# Altium PCB NeuroPico Hub.PcbDoc (part 1 of 5) (continued)
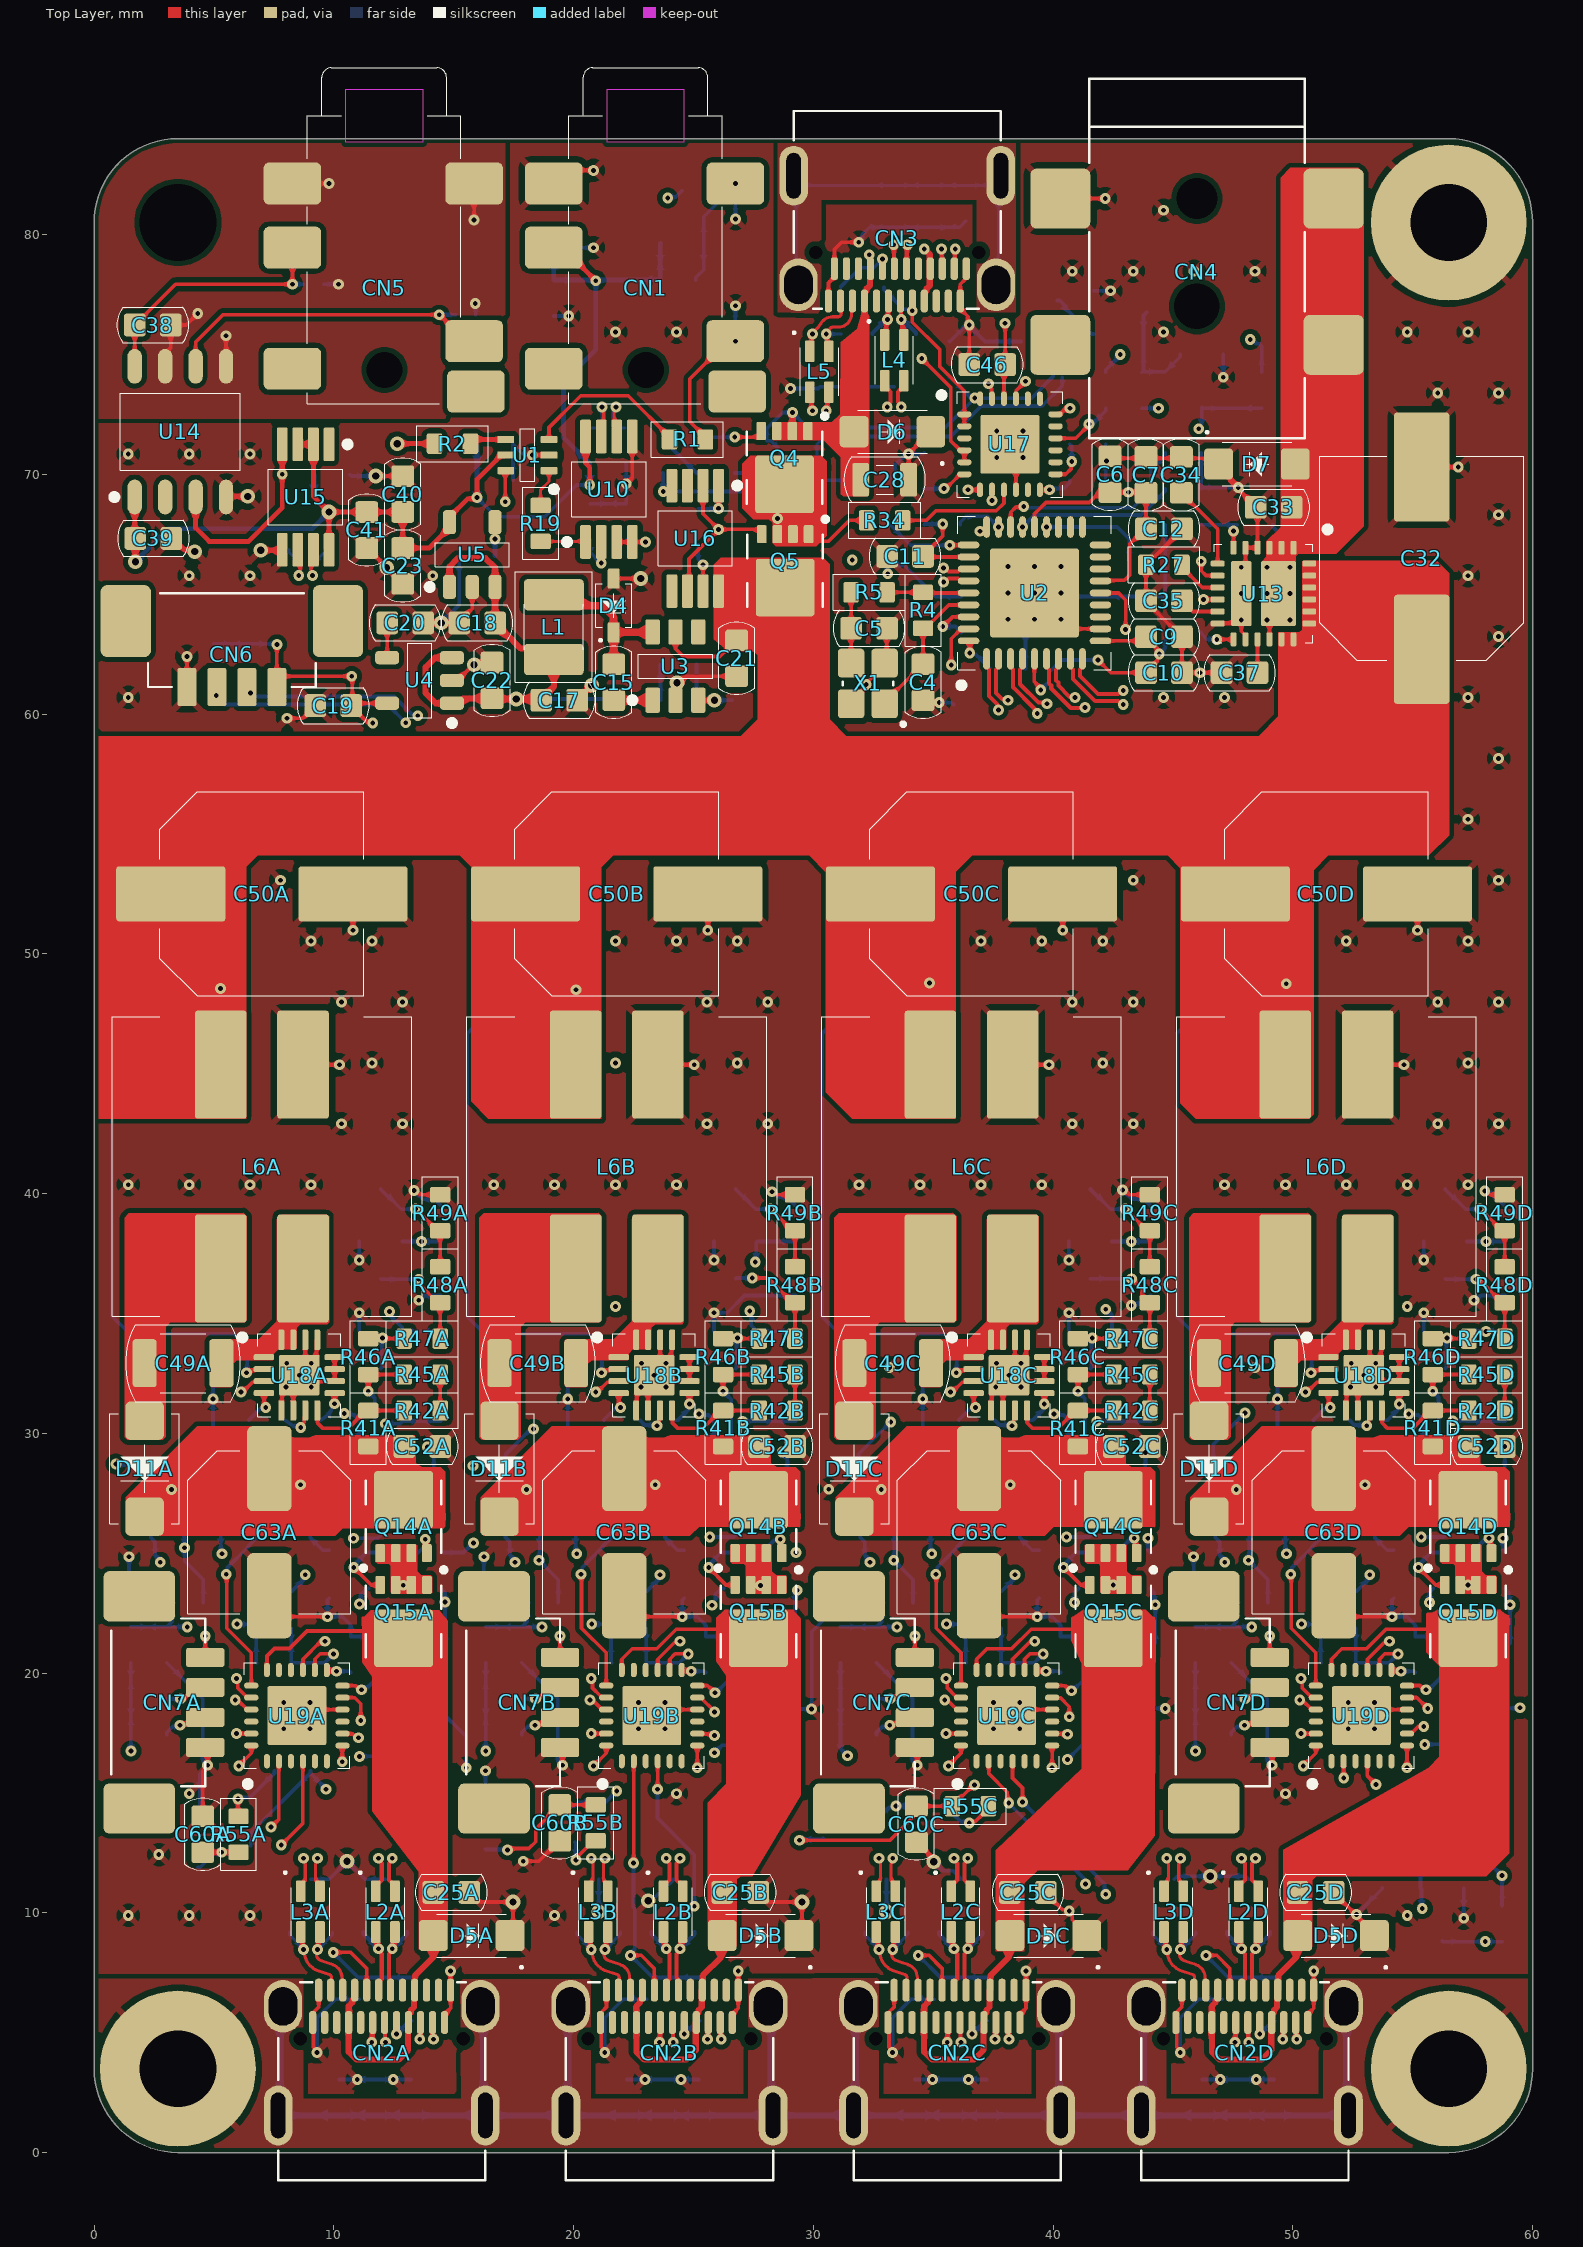
[diagram p0: Top Layer view]
## Components (designator, comment, footprint, x,y, rotation, side; value= is the part's Value field where it differs from the comment) (continued)
C49D "C1210-2.2uF-50V" CAP_CHIP_1210 48.11,32.925 r0 top value=2.2µF (schematic designator C49)
C50A "SC8-680uF-25V" ECAP_SMD_D8_10.2L 7,52.5 r0 top value=680uF (schematic designator C50)
C50B "SC8-680uF-25V" ECAP_SMD_D8_10.2L 21.8,52.5 r0 top value=680uF (schematic designator C50)
C50C "SC8-680uF-25V" ECAP_SMD_D8_10.2L 36.6,52.5 r0 top value=680uF (schematic designator C50)
C50D "SC8-680uF-25V" ECAP_SMD_D8_10.2L 51.4,52.5 r0 top value=680uF (schematic designator C50)
C51A "C0603-100nF-50V" CAP_CHIP_0603 5.71,32.675 r180 bottom value=100nF (schematic designator C51)
C51B "C0603-100nF-50V" CAP_CHIP_0603 20.51,32.675 r180 bottom value=100nF (schematic designator C51)
C51C "C0603-100nF-50V" CAP_CHIP_0603 35.31,32.675 r180 bottom value=100nF (schematic designator C51)
C51D "C0603-100nF-50V" CAP_CHIP_0603 50.11,32.675 r180 bottom value=100nF (schematic designator C51)
C52A "C0603-10uF-25V" CAP_CHIP_0603 13.685,29.45 r180 top value=10µF (schematic designator C52)
C52B "C0603-10uF-25V" CAP_CHIP_0603 28.485,29.45 r180 top value=10µF (schematic designator C52)
C52C "C0603-10uF-25V" CAP_CHIP_0603 43.285,29.45 r180 top value=10µF (schematic designator C52)
C52D "C0603-10uF-25V" CAP_CHIP_0603 58.085,29.45 r180 top value=10µF (schematic designator C52)
C53A "C0603-47nF-50V" CAP_CHIP_0603 5.71,30.55 r0 bottom value=47nF (schematic designator C53)
C53B "C0603-47nF-50V" CAP_CHIP_0603 20.51,30.55 r0 bottom value=47nF (schematic designator C53)
C53C "C0603-47nF-50V" CAP_CHIP_0603 35.31,30.55 r0 bottom value=47nF (schematic designator C53)
C53D "C0603-47nF-50V" CAP_CHIP_0603 50.11,30.55 r0 bottom value=47nF (schematic designator C53)
C54A "C0603-100nF-50V" CAP_CHIP_0603 5.71,29.05 r180 bottom value=100nF (schematic designator C54)
C54B "C0603-100nF-50V" CAP_CHIP_0603 20.51,29.05 r180 bottom value=100nF (schematic designator C54)
C54C "C0603-100nF-50V" CAP_CHIP_0603 35.31,29.05 r180 bottom value=100nF (schematic designator C54)
C54D "C0603-100nF-50V" CAP_CHIP_0603 50.11,29.05 r180 bottom value=100nF (schematic designator C54)
C55A "C0603-100nF-50V" CAP_CHIP_0603 14.46,27.5 r270 bottom value=100nF (schematic designator C55)
C55B "C0603-100nF-50V" CAP_CHIP_0603 29.26,27.5 r270 bottom value=100nF (schematic designator C55)
C55C "C0603-100nF-50V" CAP_CHIP_0603 44.06,27.5 r270 bottom value=100nF (schematic designator C55)
C55D "C0603-100nF-50V" CAP_CHIP_0603 58.86,27.5 r270 bottom value=100nF (schematic designator C55)
C56A "C0603-100nF-50V" CAP_CHIP_0603 3.035,21.175 r90 bottom value=100nF (schematic designator C56)
C56B "C0603-100nF-50V" CAP_CHIP_0603 17.835,21.175 r90 bottom value=100nF (schematic designator C56)
C56C "C0603-100nF-50V" CAP_CHIP_0603 32.635,21.175 r90 bottom value=100nF (schematic designator C56)
C56D "C0603-100nF-50V" CAP_CHIP_0603 47.435,21.175 r90 bottom value=100nF (schematic designator C56)
C57A "C0603-100nF-50V" CAP_CHIP_0603 14.46,31.25 r270 bottom value=100nF (schematic designator C57)
C57B "C0603-100nF-50V" CAP_CHIP_0603 29.26,31.25 r270 bottom value=100nF (schematic designator C57)
C57C "C0603-100nF-50V" CAP_CHIP_0603 44.06,31.25 r270 bottom value=100nF (schematic designator C57)
C57D "C0603-100nF-50V" CAP_CHIP_0603 58.86,31.25 r270 bottom value=100nF (schematic designator C57)
C58A "C0603-100nF-50V" CAP_CHIP_0603 7.535,20.425 r0 bottom value=100nF (schematic designator C58)
C58B "C0603-100nF-50V" CAP_CHIP_0603 22.335,20.425 r0 bottom value=100nF (schematic designator C58)
C58C "C0603-100nF-50V" CAP_CHIP_0603 37.135,20.425 r0 bottom value=100nF (schematic designator C58)
C58D "C0603-100nF-50V" CAP_CHIP_0603 51.935,20.425 r0 bottom value=100nF (schematic designator C58)
C59A "C0603-100nF-50V" CAP_CHIP_0603 14.46,35 r270 bottom value=100nF (schematic designator C59)
C59B "C0603-100nF-50V" CAP_CHIP_0603 29.26,35 r270 bottom value=100nF (schematic designator C59)
C59C "C0603-100nF-50V" CAP_CHIP_0603 44.06,35 r270 bottom value=100nF (schematic designator C59)
C59D "C0603-100nF-50V" CAP_CHIP_0603 58.86,35 r270 bottom value=100nF (schematic designator C59)
C60A "C0603-100nF-50V" CAP_CHIP_0603 4.535,13.275 r270 top value=100nF (schematic designator C60)
C60B "C0603-100nF-50V" CAP_CHIP_0603 19.425,13.75 r90 top value=100nF (schematic designator C60)
C60C "C0603-100nF-50V" CAP_CHIP_0603 34.3,13.7 r90 top value=100nF (schematic designator C60)
C60D "C0603-100nF-50V" CAP_CHIP_0603 53.725,11.8 r90 bottom value=100nF (schematic designator C60)
C61A "C0603-100nF-50V" CAP_CHIP_0603 14.46,38.75 r270 bottom value=100nF (schematic designator C61)
C61B "C0603-100nF-50V" CAP_CHIP_0603 29.26,38.75 r270 bottom value=100nF (schematic designator C61)
C61C "C0603-100nF-50V" CAP_CHIP_0603 44.06,38.75 r270 bottom value=100nF (schematic designator C61)
C61D "C0603-100nF-50V" CAP_CHIP_0603 58.86,38.75 r270 bottom value=100nF (schematic designator C61)
C62A "C0603-100nF-50V" CAP_CHIP_0603 12.96,18.525 r180 bottom value=100nF (schematic designator C62)
C62B "C0603-100nF-50V" CAP_CHIP_0603 27.76,18.525 r180 bottom value=100nF (schematic designator C62)
C62C "C0603-100nF-50V" CAP_CHIP_0603 42.56,18.525 r180 bottom value=100nF (schematic designator C62)
C62D "C0603-100nF-50V" CAP_CHIP_0603 57.36,18.525 r180 bottom value=100nF (schematic designator C62)
C63A "SC63-220uF-25V" ECAP_SMD_6.3 7.31,25.875 r270 top value=220µF (schematic designator C63)
C63B "SC63-220uF-25V" ECAP_SMD_6.3 22.11,25.875 r270 top value=220µF (schematic designator C63)
C63C "SC63-220uF-25V" ECAP_SMD_6.3 36.91,25.875 r270 top value=220µF (schematic designator C63)
C63D "SC63-220uF-25V" ECAP_SMD_6.3 51.71,25.875 r270 top value=220µF (schematic designator C63)
C64A "C0603-1uF-50V" CAP_CHIP_0603 5.285,15.925 r180 bottom value=1µF (schematic designator C64)
C64B "C0603-1uF-50V" CAP_CHIP_0603 20.085,15.925 r180 bottom value=1µF (schematic designator C64)
C64C "C0603-1uF-50V" CAP_CHIP_0603 34.885,15.925 r180 bottom value=1µF (schematic designator C64)
C64D "C0603-1uF-50V" CAP_CHIP_0603 49.685,15.925 r180 bottom value=1µF (schematic designator C64)
C65A "C0603-1uF-50V" CAP_CHIP_0603 5.285,17.425 r180 bottom value=1µF (schematic designator C65)
C65B "C0603-1uF-50V" CAP_CHIP_0603 20.085,17.425 r180 bottom value=1µF (schematic designator C65)
C65C "C0603-1uF-50V" CAP_CHIP_0603 34.885,17.425 r180 bottom value=1µF (schematic designator C65)
C65D "C0603-1uF-50V" CAP_CHIP_0603 49.685,17.425 r180 bottom value=1µF (schematic designator C65)
C66A "C0603-1uF-50V" CAP_CHIP_0603 5.285,18.925 r180 bottom value=1µF (schematic designator C66)
C66B "C0603-1uF-50V" CAP_CHIP_0603 20.085,18.925 r180 bottom value=1µF (schematic designator C66)
C66C "C0603-1uF-50V" CAP_CHIP_0603 34.885,18.925 r180 bottom value=1µF (schematic designator C66)
C66D "C0603-1uF-50V" CAP_CHIP_0603 49.685,18.925 r180 bottom value=1µF (schematic designator C66)
CN1 "CLK_IN" PJ-316A 23,79.8 r90 top
CN2A "USB_DS" TYPEC-24P 12,6.1 r0 top (schematic designator CN2)
CN2B "USB_DS" TYPEC-24P 24,6.1 r0 top (schematic designator CN2)
CN2C "USB_DS" TYPEC-24P 36,6.1 r0 top (schematic designator CN2)
CN2D "USB_DS" TYPEC-24P 48,6.1 r0 top (schematic designator CN2)
CN3 "USB-C" TYPEC-24P 33.5,77.9 r180 top
CN4 "PWR" DC-005-2.0 46,79 r270 top
CN5 "CLK_OUT" PJ-316A 12.1,79.8 r90 top
CN6 "CFG" MOLEX_1.25_4P 5.75,62.875 r180 top
CN7A "CFG" MOLEX_1.25_4P 2.885,18.775 r270 top (schematic designator CN7)
CN7B "CFG" MOLEX_1.25_4P 17.685,18.775 r270 top (schematic designator CN7)
CN7C "CFG" MOLEX_1.25_4P 32.485,18.775 r270 top (schematic designator CN7)
CN7D "CFG" MOLEX_1.25_4P 47.285,18.775 r270 top (schematic designator CN7)
D1 "ESD9B3" SOD923 19.6,79.45 r180 bottom
D2 "ESD9B3" SOD923 26.75,75.975 r270 bottom
D3 "ESD9B3" SOD923 26.75,81.7 r90 bottom
D4 "CUS10S30" SOD323 21.675,64.525 r90 top
D5A "SMFJ28CA" SOD123 15.75,9.05 r180 top (schematic designator D5)
D5B "SMFJ28CA" SOD123 27.8,9.05 r180 top (schematic designator D5)
D5C "SMFJ28CA" SOD123 39.8,9.05 r180 top (schematic designator D5)
D5D "SMFJ28CA" SOD123 51.8,9.05 r180 top (schematic designator D5)
D6 "SMFJ28CA" SOD123 33.3,71.775 r180 top
D7 "SMFJ28CA" SOD123 48.5,70.425 r0 top
D8 "ESD9B3" SOD923 15.5,76.65 r180 bottom
D9 "ESD9B3" SOD923 9.15,77.925 r180 bottom
D10 "CUS10S30" SOD323 29.175,71.4 r180 bottom
D11A "SS54" DO214AC/SMA 2.11,28.525 r90 top (schematic designator D11)
D11B "SS54" DO214AC/SMA 16.91,28.525 r90 top (schematic designator D11)
D11C "SS54" DO214AC/SMA 31.71,28.525 r90 top (schematic designator D11)
D11D "SS54" DO214AC/SMA 46.51,28.525 r90 top (schematic designator D11)
L1 "L-PWR-47uH-0.3A" IND_PWR_1210 19.175,63.625 r270 top value=47µH
L2A "CHOKE-90R" IND_CHOKE_0805 12.15,10.05 r270 top (schematic designator L2)
L2B "CHOKE-90R" IND_CHOKE_0805 24.15,10.05 r270 top (schematic designator L2)
L2C "CHOKE-90R" IND_CHOKE_0805 36.15,10.05 r270 top (schematic designator L2)
L2D "CHOKE-90R" IND_CHOKE_0805 48.15,10.05 r270 top (schematic designator L2)
L3A "CHOKE-120R" IND_CHOKE_0805 9.025,10.05 r270 top (schematic designator L3)
L3B "CHOKE-120R" IND_CHOKE_0805 21.025,10.05 r270 top (schematic designator L3)
L3C "CHOKE-120R" IND_CHOKE_0805 33.025,10.05 r270 top (schematic designator L3)
L3D "CHOKE-120R" IND_CHOKE_0805 45.025,10.05 r270 top (schematic designator L3)
L4 "CHOKE-90R" IND_CHOKE_0805 33.375,74.75 r270 top
L5 "CHOKE-120R" IND_CHOKE_0805 30.25,74.275 r270 top
L6A "10uH" IND_PWR_4P_1212 7,41.125 r270 top (schematic designator L6)
L6B "10uH" IND_PWR_4P_1212 21.8,41.125 r270 top (schematic designator L6)
L6C "10uH" IND_PWR_4P_1212 36.6,41.125 r270 top (schematic designator L6)
L6D "10uH" IND_PWR_4P_1212 51.4,41.125 r270 top (schematic designator L6)
Q1 "AO3401A" SOT23 24.525,80.725 r270 bottom
Q2 "AO3400A" SOT23 42.8,76.75 r180 bottom
Q3 "AO3400A" SOT23 46.2,73.9 r90 bottom
Q4 "AONR21357" DFN-8-MOS 28.8,70.275 r180 top
Q5 "AON7544" DFN-8-MOS 28.825,65.975 r180 top
Q6A "AO3400A" SOT23 11.96,27.85 r270 bottom (schematic designator Q6)
Q6B "AO3400A" SOT23 26.76,27.85 r270 bottom (schematic designator Q6)
Q6C "AO3400A" SOT23 41.56,27.85 r270 bottom (schematic designator Q6)
Q6D "AO3400A" SOT23 56.36,27.85 r270 bottom (schematic designator Q6)
Q7A "AO3400A" SOT23 2.36,24.55 r270 bottom (schematic designator Q7)
Q7B "AO3400A" SOT23 17.16,24.55 r270 bottom (schematic designator Q7)
Q7C "AO3400A" SOT23 31.96,24.55 r270 bottom (schematic designator Q7)
Q7D "AO3400A" SOT23 46.76,24.55 r270 bottom (schematic designator Q7)
Q8A "AO3400A" SOT23 11.96,31.6 r270 bottom (schematic designator Q8)
Q8B "AO3400A" SOT23 26.76,31.6 r270 bottom (schematic designator Q8)
Q8C "AO3400A" SOT23 41.56,31.6 r270 bottom (schematic designator Q8)
Q8D "AO3400A" SOT23 56.36,31.6 r270 bottom (schematic designator Q8)
Q9A "AO3400A" SOT23 5.66,22.925 r0 bottom (schematic designator Q9)
Q9B "AO3400A" SOT23 20.46,22.925 r0 bottom (schematic designator Q9)
Q9C "AO3400A" SOT23 35.26,22.925 r0 bottom (schematic designator Q9)
Q9D "AO3400A" SOT23 50.06,22.925 r0 bottom (schematic designator Q9)
Q10A "AO3400A" SOT23 11.96,35.35 r270 bottom (schematic designator Q10)
Q10B "AO3400A" SOT23 26.76,35.35 r270 bottom (schematic designator Q10)
Q10C "AO3400A" SOT23 41.56,35.35 r270 bottom (schematic designator Q10)
Q10D "AO3400A" SOT23 56.36,35.35 r270 bottom (schematic designator Q10)
Q11A "AO3400A" SOT23 5.425,12.8 r180 bottom (schematic designator Q11)
Q11B "AO3400A" SOT23 17.425,13.55 r180 bottom (schematic designator Q11)
Q11C "AO3400A" SOT23 31.5,14 r180 bottom (schematic designator Q11)
Q11D "AO3400A" SOT23 56.225,9.925 r90 bottom (schematic designator Q11)
Q12A "AO3400A" SOT23 11.96,39.1 r270 bottom (schematic designator Q12)
Q12B "AO3400A" SOT23 26.76,39.1 r270 bottom (schematic designator Q12)
Q12C "AO3400A" SOT23 41.56,39.1 r270 bottom (schematic designator Q12)
Q12D "AO3400A" SOT23 56.36,39.1 r270 bottom (schematic designator Q12)
Q13A "AO3400A" SOT23 13.335,21.025 r180 bottom (schematic designator Q13)
Q13B "AO3400A" SOT23 28.135,21.025 r180 bottom (schematic designator Q13)
Q13C "AO3400A" SOT23 42.935,21.025 r180 bottom (schematic designator Q13)
Q13D "AO3400A" SOT23 57.735,21.025 r180 bottom (schematic designator Q13)
Q14A "AONR21357" DFN-8-MOS 12.91,26.525 r0 top (schematic designator Q14)
Q14B "AONR21357" DFN-8-MOS 27.71,26.525 r0 top (schematic designator Q14)
Q14C "AONR21357" DFN-8-MOS 42.51,26.525 r0 top (schematic designator Q14)
Q14D "AONR21357" DFN-8-MOS 57.31,26.525 r0 top (schematic designator Q14)
Q15A "AONR21357" DFN-8-MOS 12.91,22.15 r180 top (schematic designator Q15)
Q15B "AONR21357" DFN-8-MOS 27.71,22.15 r180 top (schematic designator Q15)
Q15C "AONR21357" DFN-8-MOS 42.51,22.15 r180 top (schematic designator Q15)
Q15D "AONR21357" DFN-8-MOS 57.31,22.15 r180 top (schematic designator Q15)
Q16A "AO3401A" SOT23 7.91,26.55 r180 bottom (schematic designator Q16)
Q16B "AO3401A" SOT23 22.71,26.55 r180 bottom (schematic designator Q16)
Q16C "AO3401A" SOT23 37.51,26.55 r180 bottom (schematic designator Q16)
Q16D "AO3401A" SOT23 52.31,26.55 r180 bottom (schematic designator Q16)
R1 "R0603-1K" RES_CHIP_0603 24.75,71.45 r0 top value=1k
R2 "R0603-1K" RES_CHIP_0603 14.95,71.275 r0 top value=1k
R3 "R0603-100K" RES_CHIP_0603 24.35,78.1 r180 bottom value=100k
R4 "R0603-1M" RES_CHIP_0603 34.575,64.325 r90 top value=1M
R5 "R0603-100R" RES_CHIP_0603 32.325,65.075 r0 top value=100
R6 "R0603-100K" RES_CHIP_0603 35.375,67.9 r0 bottom value=100k
R7 "R0603-12K" RES_CHIP_0603 35.85,61.15 r90 bottom value=12k
R8 "R0603-100K" RES_CHIP_0603 45.425,69.4 r0 bottom value=100k
R9 "R0603-100K" RES_CHIP_0603 45.425,70.9 r0 bottom value=100k
R10 "R0603-100K" RES_CHIP_0603 33.125,67.125 r270 bottom value=100k
R11 "R0603-100K" RES_CHIP_0603 43.175,65.65 r270 bottom value=100k
R12 "R0603-100K" RES_CHIP_0603 24.375,60.575 r180 bottom value=100k
R13 "R0603-27K" RES_CHIP_0603 26.625,61.325 r270 bottom value=27k
R14A "R0603-1M" RES_CHIP_0603 11.725,2.3 r90 bottom value=1M (schematic designator R14)
R14B "R0603-1M" RES_CHIP_0603 25.23,2.3 r90 bottom value=1M (schematic designator R14)
R14C "R0603-1M" RES_CHIP_0603 37.23,2.3 r90 bottom value=1M (schematic designator R14)
R14D "R0603-1M" RES_CHIP_0603 49.23,2.3 r90 bottom value=1M (schematic designator R14)
R15 "R0603-100K" RES_CHIP_0603 42.95,74.25 r0 bottom value=100k
R16 "R0603-100K" RES_CHIP_0603 48.7,73.5 r270 bottom value=100k
R17 "R0603-1K" RES_CHIP_0603 40.175,76.5 r90 bottom value=1k
R18 "R0603-120R" RES_CHIP_0603 21.4,71.925 r0 bottom value=120
R19 "R0603-1K" RES_CHIP_0603 18.625,67.95 r90 top value=1k
R20 "R0603-100K" RES_CHIP_0603 22.2,68.025 r270 bottom value=100k
R21 "R0603-100K" RES_CHIP_0603 20.7,68.025 r270 bottom value=100k
R22 "R0603-1M" RES_CHIP_0603 36.35,81.3 r90 bottom value=1M
R23 "R0603-1M" RES_CHIP_0603 48.425,67.9 r0 bottom value=1M
R24 "R0603-100K" RES_CHIP_0603 45.425,63.4 r180 bottom value=100k
R25 "R0603-120K" RES_CHIP_0603 45.425,67.9 r0 bottom value=120k
R26 "R0603-120R" RES_CHIP_0603 45.425,66.4 r180 bottom value=120
R27 "R0603-1K" RES_CHIP_0603 44.625,66.225 r0 top value=1k
R28 "R0603-10K" RES_CHIP_0603 9.925,69.975 r180 bottom value=10k
R29 "R0603-120R" RES_CHIP_0603 8.875,66.85 r180 bottom value=120
R30 "R0603-470R" RES_CHIP_0603 29.375,69.75 r180 bottom value=470
R31 "R0603-100K" RES_CHIP_0603 26.725,70.8 r270 bottom value=100k
R32 "R0603-100R" RES_CHIP_0603 25.225,70.8 r270 bottom value=100
R33 "R0603-22K" RES_CHIP_0603 42.95,72.75 r0 bottom value=22k
R34 "R0603-1K" RES_CHIP_0603 32.975,68.075 r180 top value=1k
R35 "R0603-1K" RES_CHIP_0603 40.7,73.5 r90 bottom value=1k
R36 "R0603-100K" RES_CHIP_0603 34.625,70.15 r270 bottom value=100k
R37 "R0603-100K" RES_CHIP_0603 41.45,69.75 r180 bottom value=100k
R38 "R0603-100K" RES_CHIP_0603 41.45,71.25 r180 bottom value=100k
R39 "R0603-4K7" RES_CHIP_0603 6.5,62.175 r90 bottom value=4.7k
R40 "R0603-4K7" RES_CHIP_0603 5,62.175 r90 bottom value=4.7k
R41A "R0603-200K" RES_CHIP_0603 11.435,30.2 r270 top value=200k (schematic designator R41)
R41B "R0603-200K" RES_CHIP_0603 26.235,30.2 r270 top value=200k (schematic designator R41)
R41C "R0603-200K" RES_CHIP_0603 41.035,30.2 r270 top value=200k (schematic designator R41)
R41D "R0603-200K" RES_CHIP_0603 55.835,30.2 r270 top value=200k (schematic designator R41)
R42A "R0603-13K" RES_CHIP_0603 13.685,30.95 r180 top value=13k (schematic designator R42)
R42B "R0603-13K" RES_CHIP_0603 28.485,30.95 r180 top value=13k (schematic designator R42)
R42C "R0603-13K" RES_CHIP_0603 43.285,30.95 r180 top value=13k (schematic designator R42)
R42D "R0603-13K" RES_CHIP_0603 58.085,30.95 r180 top value=13k (schematic designator R42)
R43A "R0603-39K" RES_CHIP_0603 9.46,29.8 r90 bottom value=39k (schematic designator R43)
R43B "R0603-39K" RES_CHIP_0603 24.26,29.8 r90 bottom value=39k (schematic designator R43)
R43C "R0603-39K" RES_CHIP_0603 39.06,29.8 r90 bottom value=39k (schematic designator R43)
R43D "R0603-39K" RES_CHIP_0603 53.86,29.8 r90 bottom value=39k (schematic designator R43)
R44A "R0603-2K2" RES_CHIP_0603 7.96,29.8 r270 bottom value=2.2k (schematic designator R44)
R44B "R0603-2K2" RES_CHIP_0603 22.76,29.8 r270 bottom value=2.2k (schematic designator R44)
R44C "R0603-2K2" RES_CHIP_0603 37.56,29.8 r270 bottom value=2.2k (schematic designator R44)
R44D "R0603-2K2" RES_CHIP_0603 52.36,29.8 r270 bottom value=2.2k (schematic designator R44)
R45A "R0603-100R" RES_CHIP_0603 13.685,32.45 r0 top value=100 (schematic designator R45)
R45B "R0603-100R" RES_CHIP_0603 28.485,32.45 r0 top value=100 (schematic designator R45)
R45C "R0603-100R" RES_CHIP_0603 43.285,32.45 r0 top value=100 (schematic designator R45)
R45D "R0603-100R" RES_CHIP_0603 58.085,32.45 r0 top value=100 (schematic designator R45)
R46A "R0603-4K7" RES_CHIP_0603 11.435,33.2 r270 top value=4.7k (schematic designator R46)
R46B "R0603-4K7" RES_CHIP_0603 26.235,33.2 r270 top value=4.7k (schematic designator R46)
R46C "R0603-4K7" RES_CHIP_0603 41.035,33.2 r270 top value=4.7k (schematic designator R46)
R46D "R0603-4K7" RES_CHIP_0603 55.835,33.2 r270 top value=4.7k (schematic designator R46)
R47A "R0603-5K1" RES_CHIP_0603 13.685,33.95 r180 top value=5.1k (schematic designator R47)
R47B "R0603-5K1" RES_CHIP_0603 28.485,33.95 r180 top value=5.1k (schematic designator R47)
R47C "R0603-5K1" RES_CHIP_0603 43.285,33.95 r180 top value=5.1k (schematic designator R47)
R47D "R0603-5K1" RES_CHIP_0603 58.085,33.95 r180 top value=5.1k (schematic designator R47)
R48A "R0603-9K1" RES_CHIP_0603 14.435,36.2 r270 top value=9.1k (schematic designator R48)
R48B "R0603-9K1" RES_CHIP_0603 29.235,36.2 r270 top value=9.1k (schematic designator R48)
R48C "R0603-9K1" RES_CHIP_0603 44.035,36.2 r270 top value=9.1k (schematic designator R48)
R48D "R0603-9K1" RES_CHIP_0603 58.835,36.2 r270 top value=9.1k (schematic designator R48)
R49A "R0603-33K" RES_CHIP_0603 14.435,39.2 r270 top value=33k (schematic designator R49)
R49B "R0603-33K" RES_CHIP_0603 29.235,39.2 r270 top value=33k (schematic designator R49)
R49C "R0603-33K" RES_CHIP_0603 44.035,39.2 r270 top value=33k (schematic designator R49)
R49D "R0603-33K" RES_CHIP_0603 58.835,39.2 r270 top value=33k (schematic designator R49)
R50A "R0603-100K" RES_CHIP_0603 2.285,27.925 r90 bottom value=100k (schematic designator R50)
R50B "R0603-100K" RES_CHIP_0603 17.085,27.925 r90 bottom value=100k (schematic designator R50)
R50C "R0603-100K" RES_CHIP_0603 31.885,27.925 r90 bottom value=100k (schematic designator R50)
R50D "R0603-100K" RES_CHIP_0603 46.685,27.925 r90 bottom value=100k (schematic designator R50)
R51A "R0603-100K" RES_CHIP_0603 1.535,21.175 r270 bottom value=100k (schematic designator R51)
R51B "R0603-100K" RES_CHIP_0603 16.335,21.175 r270 bottom value=100k (schematic designator R51)
R51C "R0603-100K" RES_CHIP_0603 31.135,21.175 r270 bottom value=100k (schematic designator R51)
R51D "R0603-100K" RES_CHIP_0603 45.935,21.175 r270 bottom value=100k (schematic designator R51)
R52A "R0603-100K" RES_CHIP_0603 4.535,26.025 r0 bottom value=100k (schematic designator R52)
R52B "R0603-100K" RES_CHIP_0603 19.335,26.025 r0 bottom value=100k (schematic designator R52)
R52C "R0603-100K" RES_CHIP_0603 34.135,26.025 r0 bottom value=100k (schematic designator R52)
R52D "R0603-100K" RES_CHIP_0603 48.935,26.025 r0 bottom value=100k (schematic designator R52)
R53A "R0603-100K" RES_CHIP_0603 8.285,22.675 r90 bottom value=100k (schematic designator R53)
R53B "R0603-100K" RES_CHIP_0603 23.085,22.675 r90 bottom value=100k (schematic designator R53)
R53C "R0603-100K" RES_CHIP_0603 37.885,22.675 r90 bottom value=100k (schematic designator R53)
R53D "R0603-100K" RES_CHIP_0603 52.685,22.675 r90 bottom value=100k (schematic designator R53)
R54A "R0603-100K" RES_CHIP_0603 8.275,15.925 r180 bottom value=100k (schematic designator R54)
R54B "R0603-100K" RES_CHIP_0603 20.05,13.7 r270 bottom value=100k (schematic designator R54)
R54C "R0603-100K" RES_CHIP_0603 34.875,14.425 r0 bottom value=100k (schematic designator R54)
R54D "R0603-100K" RES_CHIP_0603 58.725,9.55 r90 bottom value=100k (schematic designator R54)
R55A "R0603-100K" RES_CHIP_0603 6.025,13.275 r90 top value=100k (schematic designator R55)
R55B "R0603-100K" RES_CHIP_0603 20.925,13.75 r270 top value=100k (schematic designator R55)
R55C "R0603-100K" RES_CHIP_0603 36.55,14.45 r0 top value=100k (schematic designator R55)
R55D "R0603-100K" RES_CHIP_0603 55.975,12.55 r0 bottom value=100k (schematic designator R55)
R56A "R0603-100K" RES_CHIP_0603 14.46,24.275 r90 bottom value=100k (schematic designator R56)
R56B "R0603-100K" RES_CHIP_0603 29.26,24.275 r90 bottom value=100k (schematic designator R56)
R56C "R0603-100K" RES_CHIP_0603 44.06,24.275 r90 bottom value=100k (schematic designator R56)
R56D "R0603-100K" RES_CHIP_0603 58.86,24.275 r90 bottom value=100k (schematic designator R56)
R57A "R0603-100K" RES_CHIP_0603 12.96,17.025 r180 bottom value=100k (schematic designator R57)
R57B "R0603-100K" RES_CHIP_0603 27.76,17.025 r180 bottom value=100k (schematic designator R57)
R57C "R0603-100K" RES_CHIP_0603 42.56,17.025 r180 bottom value=100k (schematic designator R57)
R57D "R0603-100K" RES_CHIP_0603 57.36,17.025 r180 bottom value=100k (schematic designator R57)
R58A "R0603-10K" RES_CHIP_0603 4.535,27.525 r180 bottom value=10k (schematic designator R58)
R58B "R0603-10K" RES_CHIP_0603 19.335,27.525 r180 bottom value=10k (schematic designator R58)
R58C "R0603-10K" RES_CHIP_0603 34.135,27.525 r180 bottom value=10k (schematic designator R58)
R58D "R0603-10K" RES_CHIP_0603 48.935,27.525 r180 bottom value=10k (schematic designator R58)
R59A "R0603-100K" RES_CHIP_0603 12.96,24.275 r270 bottom value=100k (schematic designator R59)
R59B "R0603-100K" RES_CHIP_0603 27.76,24.275 r270 bottom value=100k (schematic designator R59)
R59C "R0603-100K" RES_CHIP_0603 42.56,24.275 r270 bottom value=100k (schematic designator R59)
R59D "R0603-100K" RES_CHIP_0603 57.36,24.275 r270 bottom value=100k (schematic designator R59)
R60A "R0603-22K" RES_CHIP_0603 11.46,24.275 r90 bottom value=22k (schematic designator R60)
R60B "R0603-22K" RES_CHIP_0603 26.26,24.275 r90 bottom value=22k (schematic designator R60)
R60C "R0603-22K" RES_CHIP_0603 41.06,24.275 r90 bottom value=22k (schematic designator R60)
R60D "R0603-22K" RES_CHIP_0603 55.86,24.275 r90 bottom value=22k (schematic designator R60)
R61A "R0805-1K" RES_CHIP_0805 9.81,24.125 r90 bottom value=1k (schematic designator R61)
R61B "R0805-1K" RES_CHIP_0805 24.61,24.125 r90 bottom value=1k (schematic designator R61)
R61C "R0805-1K" RES_CHIP_0805 39.41,24.125 r90 bottom value=1k (schematic designator R61)
R61D "R0805-1K" RES_CHIP_0805 54.21,24.125 r90 bottom value=1k (schematic designator R61)
R62A "R0603-100K" RES_CHIP_0603 10.71,20.775 r270 bottom value=100k (schematic designator R62)
R62B "R0603-100K" RES_CHIP_0603 25.51,20.775 r270 bottom value=100k (schematic designator R62)
R62C "R0603-100K" RES_CHIP_0603 40.31,20.775 r270 bottom value=100k (schematic designator R62)
R62D "R0603-100K" RES_CHIP_0603 55.11,20.775 r270 bottom value=100k (schematic designator R62)
R63A "R0603-4K7" RES_CHIP_0603 2.285,18.925 r180 bottom value=4.7k (schematic designator R63)
R63B "R0603-4K7" RES_CHIP_0603 17.085,18.925 r180 bottom value=4.7k (schematic designator R63)
R63C "R0603-4K7" RES_CHIP_0603 31.885,18.925 r180 bottom value=4.7k (schematic designator R63)
R63D "R0603-4K7" RES_CHIP_0603 46.685,18.925 r180 bottom value=4.7k (schematic designator R63)
R64A "R0603-4K7" RES_CHIP_0603 2.285,17.425 r180 bottom value=4.7k (schematic designator R64)
R64B "R0603-4K7" RES_CHIP_0603 17.085,17.425 r180 bottom value=4.7k (schematic designator R64)
R64C "R0603-4K7" RES_CHIP_0603 31.885,17.425 r180 bottom value=4.7k (schematic designator R64)
R64D "R0603-4K7" RES_CHIP_0603 46.685,17.425 r180 bottom value=4.7k (schematic designator R64)
U1 "74LVC1G157" SOT363 18.075,70.8 r90 top
U2 "USB2514B" QFN36 39.225,65.05 r0 top
U3 "RT8259" SOT23-6 24.25,62 r0 top
U4 "TPS79333" SOT23-5 13.575,61.4 r90 top
U5 "TPS79333" SOT23-5 15.775,66.65 r0 top
U6A "PESD5V0L2BT" SOT23 12.15,10.3 r270 bottom (schematic designator U6)
U6B "PESD5V0L2BT" SOT23 24.15,10.3 r270 bottom (schematic designator U6)
U6C "PESD5V0L2BT" SOT23 36.15,10.3 r270 bottom (schematic designator U6)
U6D "PESD5V0L2BT" SOT23 48.15,10.3 r270 bottom (schematic designator U6)
U7A "PSM712" SOT23 9.05,10.3 r270 bottom (schematic designator U7)
U7B "PSM712" SOT23 21.05,10.3 r270 bottom (schematic designator U7)
U7C "PSM712" SOT23 33.05,10.3 r270 bottom (schematic designator U7)
U7D "PSM712" SOT23 45.05,10.3 r270 bottom (schematic designator U7)
U8A "PESD5V0L2BT" SOT23 12.15,6.4 r0 bottom (schematic designator U8)
U8B "PESD5V0L2BT" SOT23 24.15,6.4 r0 bottom (schematic designator U8)
U8C "PESD5V0L2BT" SOT23 36.15,6.4 r0 bottom (schematic designator U8)
U8D "PESD5V0L2BT" SOT23 48.15,6.4 r0 bottom (schematic designator U8)
U9 "PESD5V0L2BT" SOT23 33.375,74.75 r90 bottom
U10 "THVD1450D" VSSOP8_3X3_0.65E 21.475,69.375 r0 top
U11 "PSM712" SOT23 30.275,74.75 r90 bottom
U12 "PESD5V0L2BT" SOT23 32.05,78.9 r270 bottom
U13 "TPS25982" VQFN24 48.775,65.025 r180 top
U14 "ADUM1201B" SOIC8 3.6,71.775 r0 top
U15 "THVD1450D" VSSOP8_3X3_0.65E 8.825,69.05 r180 top
U16 "LM74670" VSSOP8_3X3_0.65E 25.075,67.325 r180 top
U17 "STUSB4500" QFN24 38.2,71.25 r270 top
U18A "TPS55340" WQFN16_3X3_0.5E 8.56,32.425 r270 top (schematic designator U18)
U18B "TPS55340" WQFN16_3X3_0.5E 23.36,32.425 r270 top (schematic designator U18)
U18C "TPS55340" WQFN16_3X3_0.5E 38.16,32.425 r270 top (schematic designator U18)
U18D "TPS55340" WQFN16_3X3_0.5E 52.96,32.425 r270 top (schematic designator U18)
U19A "STUSB4710A" QFN24 8.46,18.225 r0 top (schematic designator U19)
U19B "STUSB4710A" QFN24 23.26,18.225 r0 top (schematic designator U19)
U19C "STUSB4710A" QFN24 38.06,18.225 r0 top (schematic designator U19)
U19D "STUSB4710A" QFN24 52.86,18.225 r0 top (schematic designator U19)
X1 "OSC2520-24M" OSC_SMD_2520 32.275,61.275 r90 top

## Footprints (in the part's own frame and the unit in brackets; to place one, negate y for a bottom-side part, rotate by r counter-clockwise, add the part's x,y. Pads: shape width x height; smd on the part's side, far side on the other; paste and mask are expansions set on the pad)
CAP_CHIP_0603 [mm]
  rrect25% 0.9x0.95 smd: 1(-0.75,0) 2(0.75,0)
  silkscreen extent -1.5,-0.75 1.5,0.75, body extent -0.8,-0.4 0.8,0.4, height 0.8
CAP_CHIP_0805 [mm] "Chip Capacitor, 2-Leads, Body 2.00x1.25mm, IPC Medium Density"
  rrect25% 0.7x1.4 smd: 1(-1,0) 2(1,0)
  silkscreen extent -1.7,-0.95 1.7,0.95, body extent -1,-0.63 1,0.63, height 1.26
CAP_CHIP_1210 [mm]
  rrect25% 1x2 smd: 1(-1.6,0) 2(1.6,0)
  silkscreen extent -2.4,-1.6 2.4,1.6, body extent -1.6,-1.25 1.6,1.25, height 2.01
DC-005-2.0 [mm] "Surface Mount,Right Angle 2.5A 24V SMD DC Power Connector"
  round 0 hole 1.7 unplated: 0(-2.5,0)
  round 0 hole 1.9 unplated: 0(2,0)
  rrect20% 2.5x2.5 smd paste+0 mask+0.05: 1(-2.5,5.7) 1(3.6,5.7) 2(-2.5,-5.7) 3(3.6,-5.7)
  silkscreen extent -7.5,-4.5 7.5,4.5, body extent -7.42,-6.3 7.38,6.3, height 11.2
DFN-8-MOS [mm] "PowerFLAT 3.3 x 3.3 package"
  rrect25% 0.4x0.75 smd: 1(-0.975,-1.525) 2(-0.325,-1.525) 3(0.325,-1.525) 4(0.975,-1.525)
  rrect10% 2.45x2.4 smd: 5(0,0.7)
  Top Layer region: -1.125,-0.4 1.1,-0.4 1.1,-0.2 1.675,-0.2 1.715,-0.189 1.744,-0.16 1.755,-0.12 1.755,-0.12 1.755,0.12 1.744,0.16 1.715,0.189 1.675,0.2 1.675,0.2 1.1,0.2 1.1,1.75 -1.125,1.75 -1.125,0.2 -1.65,0.2 -1.69,0.192 -1.724,0.169 -1.747,0.135 -1.755,0.095 -1.755,0.095 -1.755,-0.095 -1.747,-0.135 -1.724,-0.169 -1.69,-0.192 -1.65,-0.2 -1.65,-0.2 -1.125,-0.2
  silkscreen extent -1.78,-2.25 1.58,1.5, body extent -1.59,-1.64 1.71,1.66, height 0.9
DO214AC/SMA [mm] "DO214AC/SMA"
  rrect25% 1.6x1.6 smd: 1(-2,0) 2(2,0)
  silkscreen extent -2.3,-1.45 2.3,1.45, body extent -2.52,-1.45 2.52,1.45, height 2.4
ECAP_SMD_6.3 [mm] "Aluminum Electrolytic Capacitor, Body 6.60x6.60x6.00mm, IPC Low Density"
  rrect25% 3.55x1.85 smd: 1(-2.65,0) 2(2.65,0)
  silkscreen extent -3.4,-3.4 3.4,3.4, body extent -3.6,-3.4 3.6,3.4, height 6
ECAP_SMD_D8_10.2L [mm] "Aluminum Electrolytic Capacitor, Body 8.30x8.30x10.50mm, IPC Low Density"
  rrect10% 4.55x2.3 smd: 1(-3.8,0) 2(3.8,0)
  silkscreen extent -4.25,-4.25 4.25,4.25, body extent -5,-4.25 5,4.25, height 10.5
IND_CHOKE_0805 [mm]
  rrect25% 0.9x0.4 smd: 1(-0.85,-0.4) 2(0.85,-0.4) 3(0.85,0.4) 4(-0.85,0.4)
  silkscreen extent -1.67,-1.1 1,0.8, body extent -1.4,-0.8 1.4,0.8, height 0.25
IND_PWR_4P_1212 [mm] "Precision Wire Wound Inductor, 2-Leads, Body 12.5x12.5mm, IPC Medium Density"
  rrect10% 4.5x2.15 smd: 1(-4.25,-1.715) 2(-4.25,1.715) 3(4.25,1.715) 4(4.25,-1.715)
  silkscreen extent -6.25,-6.25 6.25,6.25, body extent -6.25,-6.25 6.25,6.25, height 6.2
IND_PWR_1210 [mm]
  rrect25% 1.3x2.5 smd: 1(-1.35,0) 2(1.35,0)
  silkscreen extent -2.3,-1.6 2.3,1.6, body extent -2.1,-1.45 2.1,1.45, height 0.25
MOLEX_1.25_4P [mm]
  rrect25% 0.8x1.6 smd: 1(-1.875,1.75) 2(-0.625,1.75) 3(0.625,1.75) 4(1.875,1.75)
  rrect25% 2.1x3 smd: S1(-4.425,-1) S2(4.425,-1)
  silkscreen extent -3.5,-2.16 3.5,1.75, body extent -5.07,-2.1 5.07,2.1, height 4.7
OSC_SMD_2520 [mm]
  rrect25% 1.2x1.1 smd: 1(-0.85,-0.7) 2(0.85,-0.7) 3(0.85,0.7) 4(-0.85,0.7)
  silkscreen extent -1.75,-1.53 0.08,1.05, body extent -1.25,-1 1.25,1, height 0.65
PJ-316A [mm] "3.5mm headphone jack 235? 30V 500mA SMD Audio Connector"
  round 0 hole 1.5 unplated: 0(-5.45,-0.012)
  rrect25% 1.75x2.4 smd paste+0 mask+0.051: 1(2.325,3.825) 2(-4.25,-3.75) 3(-0.35,3.825) 4(2.325,-3.75) 5(-6.35,-3.825) 6(-5.4,3.825)
  Keep-Out Layer board cut-out: 6.25,1.6 6.25,-1.6 4.05,-1.6 4.05,1.6
  silkscreen extent -6.85,-3.2 7.15,3.2, body extent -7.15,-4.25 7.15,4.25, height 4.9
QFN24 [mm] "QFN, 24-Leads, Body 4.00x4.00mm, Pitch 0.50mm, Thermal Pad 2.45x2.45mm, IPC Medium Density"
  rrect5% 2.45x2.45 smd: 0(0,0)
  rrect5% 2.45x2.45 smd far side paste-2539.97 mask+0.102: 0(0,0)
  oval 0.25x0.6 smd: 1(-1.25,-1.9) 2(-0.75,-1.9) 3(-0.25,-1.9) 4(0.25,-1.9) 5(0.75,-1.9) 6(1.25,-1.9) 13(1.25,1.9) 14(0.75,1.9) 15(0.25,1.9) 16(-0.25,1.9) 17(-0.75,1.9) 18(-1.25,1.9)
  oval 0.6x0.25 smd: 7(1.9,-1.25) 8(1.9,-0.75) 9(1.9,-0.25) 10(1.9,0.25) 11(1.9,0.75) 12(1.9,1.25) 19(-1.9,1.25) 20(-1.9,0.75) 21(-1.9,0.25) 22(-1.9,-0.25) 23(-1.9,-0.75) 24(-1.9,-1.25)
  silkscreen extent -2.2,-2.97 2.2,2.2, body extent -2.06,-2.06 2.06,2.06, height 1
QFN36 [mm] "QFN, 36-Leads, Body 6.00x6.00mm, Pitch 0.50mm, Thermal Pad 3.70x3.70mm, IPC Medium Density"
  rrect5% 3.7x3.7 smd: 0(0,0)
  rrect10% 3.7x3.7 smd far side paste-2539.97 mask+0.102: 0(0,0)
  oval 0.28x0.9 smd: 1(-2,-2.75) 2(-1.5,-2.75) 3(-1,-2.75) 4(-0.5,-2.75) 5(0,-2.75) 6(0.5,-2.75) 7(1,-2.75) 8(1.5,-2.75) 9(2,-2.75) 19(2,2.75) 20(1.5,2.75) 21(1,2.75) 22(0.5,2.75) 23(0,2.75) 24(-0.5,2.75) 25(-1,2.75) 26(-1.5,2.75) 27(-2,2.75)
  oval 0.9x0.28 smd: 10(2.75,-2) 11(2.75,-1.5) 12(2.75,-1) 13(2.75,-0.5) 14(2.75,0) 15(2.75,0.5) 16(2.75,1) 17(2.75,1.5) 18(2.75,2) 28(-2.75,2) 29(-2.75,1.5) 30(-2.75,1) 31(-2.75,0.5) 32(-2.75,0) 33(-2.75,-0.5) 34(-2.75,-1) 35(-2.75,-1.5) 36(-2.75,-2)
  silkscreen extent -3.2,-3.97 3.2,3.2, body extent -3.05,-3.05 3.05,3.05, height 1
RES_CHIP_0603 [mm]
  rrect25% 0.65x0.85 smd: 1(-0.75,0) 2(0.75,0)
  silkscreen extent -1.5,-0.75 1.5,0.75, body extent -0.8,-0.4 0.8,0.4, height 0.45
RES_CHIP_0805 [mm]
  rrect25% 0.75x1.3 smd: 1(-1,0) 2(1,0)
  silkscreen extent -1.65,-0.9 1.65,0.9, body extent -1,-0.6 1,0.6, height 0.45
SOD123 [mm]
  rrect25% 1.2x1.3 smd: 1(-1.6,0) 2(1.6,0)
  silkscreen extent -2.12,-0.9 1.45,1.37, body extent -1.85,-0.9 1.85,0.9, height 1.35
SOD323 [mm]
  rrect25% 0.85x0.5 smd: 1(-1.125,0) 2(1.125,0)
  silkscreen extent -1.5,-0.75 0.9,0.75, body extent -1.25,-0.72 1.25,0.72, height 1.2
SOD923 [mm] "SODFL, 2-Leads, Body 0.60x1.00mm, IPC Medium Density"
  rrect25% 0.36x0.25 smd: 1(-0.425,0) 2(0.425,0)
  silkscreen extent -0.82,-0.38 0.6,0.52, body extent -0.5,-0.33 0.5,0.33, height 0.4
SOIC8 [mm] "SOIC, 8-Leads, Body 4.90x3.90mm, Pitch 1.27mm, IPC Medium Density"
  oval 0.6x1.45 smd: 1(-1.905,-2.725) 2(-0.635,-2.725) 3(0.635,-2.725) 4(1.905,-2.725) 5(1.905,2.725) 6(0.635,2.725) 7(-0.635,2.725) 8(-1.905,2.725)
  silkscreen extent -2.88,-2.85 2.5,1.6, body extent -2.5,-3 2.5,3, height 1.75
SOT23 [mm] "SOT23, 3-Leads, Body 2.90x2.40mm, Pitch 0.90mm, IPC Medium Density"
  rrect50% 1x0.8 smd: 1(1.1,-0.9) 2(1.1,0.9) 3(-1.1,0)
  silkscreen extent -0.7,-1.5 0.3,1.5, body extent -1.25,-1.5 1.25,1.5, height 0.92
SOT23-5 [mm] "SOT23, 5-Leads, Body 2.90x2.80mm, Pitch 0.95mm, IPC Medium Density"
  rrect50% 0.55x1 smd: 1(-0.95,-1.35) 2(0,-1.35) 3(0.95,-1.35) 4(0.95,1.35) 5(-0.95,1.35)
  silkscreen extent -1.9,-1.48 1.55,0.5, body extent -1.53,-1.5 1.53,1.5, height 1.45
SOT23-6 [mm]
  rrect25% 0.6x1.05 smd: 1(-0.95,-1.425) 2(0,-1.425) 3(0.95,-1.425) 4(0.95,1.425) 5(0,1.425) 6(-0.95,1.425)
  silkscreen extent -1.92,-1.55 1.55,0.5, body extent -1.55,-1.7 1.55,1.7, height 1.45
SOT363 [mm] "TSOP, 6-Leads, Body 2.00x1.25mm, Pitch 0.65mm, IPC Medium Density"
  rrect25% 0.3x0.7 smd: 1(-0.65,-0.9) 2(0,-0.9) 3(0.65,-0.9) 4(0.65,0.9) 5(0,0.9) 6(-0.65,0.9)
  silkscreen extent -1.55,-1.23 1.1,0.3, body extent -1.1,-1.04 1.1,1.04, height 1.1
TYPEC-24P [mm] "USB 3.1 5A Surface Mount, Right Angle 24P Female Type-C SMD USB Connectors"
  oval 1.2x2.5 hole 0.6 slot 1.9 at 90 deg: 0(-4.32,-4.55) 0(4.32,-4.55)
  oval 1.6x2.2 hole 1.2 slot 1.6 at 90 deg: 0(-4.12,0) 0(4.12,0)
  rrect75% 0.3x0.95 smd: A1(-2.63,0.675) A2(-2.13,0.675) A3(-1.63,0.675) A4(-1.13,0.675) A5(-0.63,0.675) A6(-0.13,0.675) A7(0.37,0.675) A8(0.87,0.675) A9(1.37,0.675) A10(1.87,0.675) A11(2.37,0.675) A12(2.87,0.675) B1(2.62,-0.675) B2(2.12,-0.675) B3(1.62,-0.675) B4(1.12,-0.675) B5(0.62,-0.675) B6(0.12,-0.675) B7(-0.38,-0.675) B8(-0.88,-0.675) B9(-1.38,-0.675) B10(-1.88,-0.675) B11(-2.38,-0.675) B12(-2.88,-0.675)
  round 0 hole 0.55 unplated: H1(-3.4,-1.35) H2(3.4,-1.35)
  silkscreen extent -4.32,-7.25 4.32,1, body extent -4.45,-7.22 4.49,0.88, height 3.22